# Altium PCB Toradex_Colibri.PcbDoc (part 1 of 2) (continued)
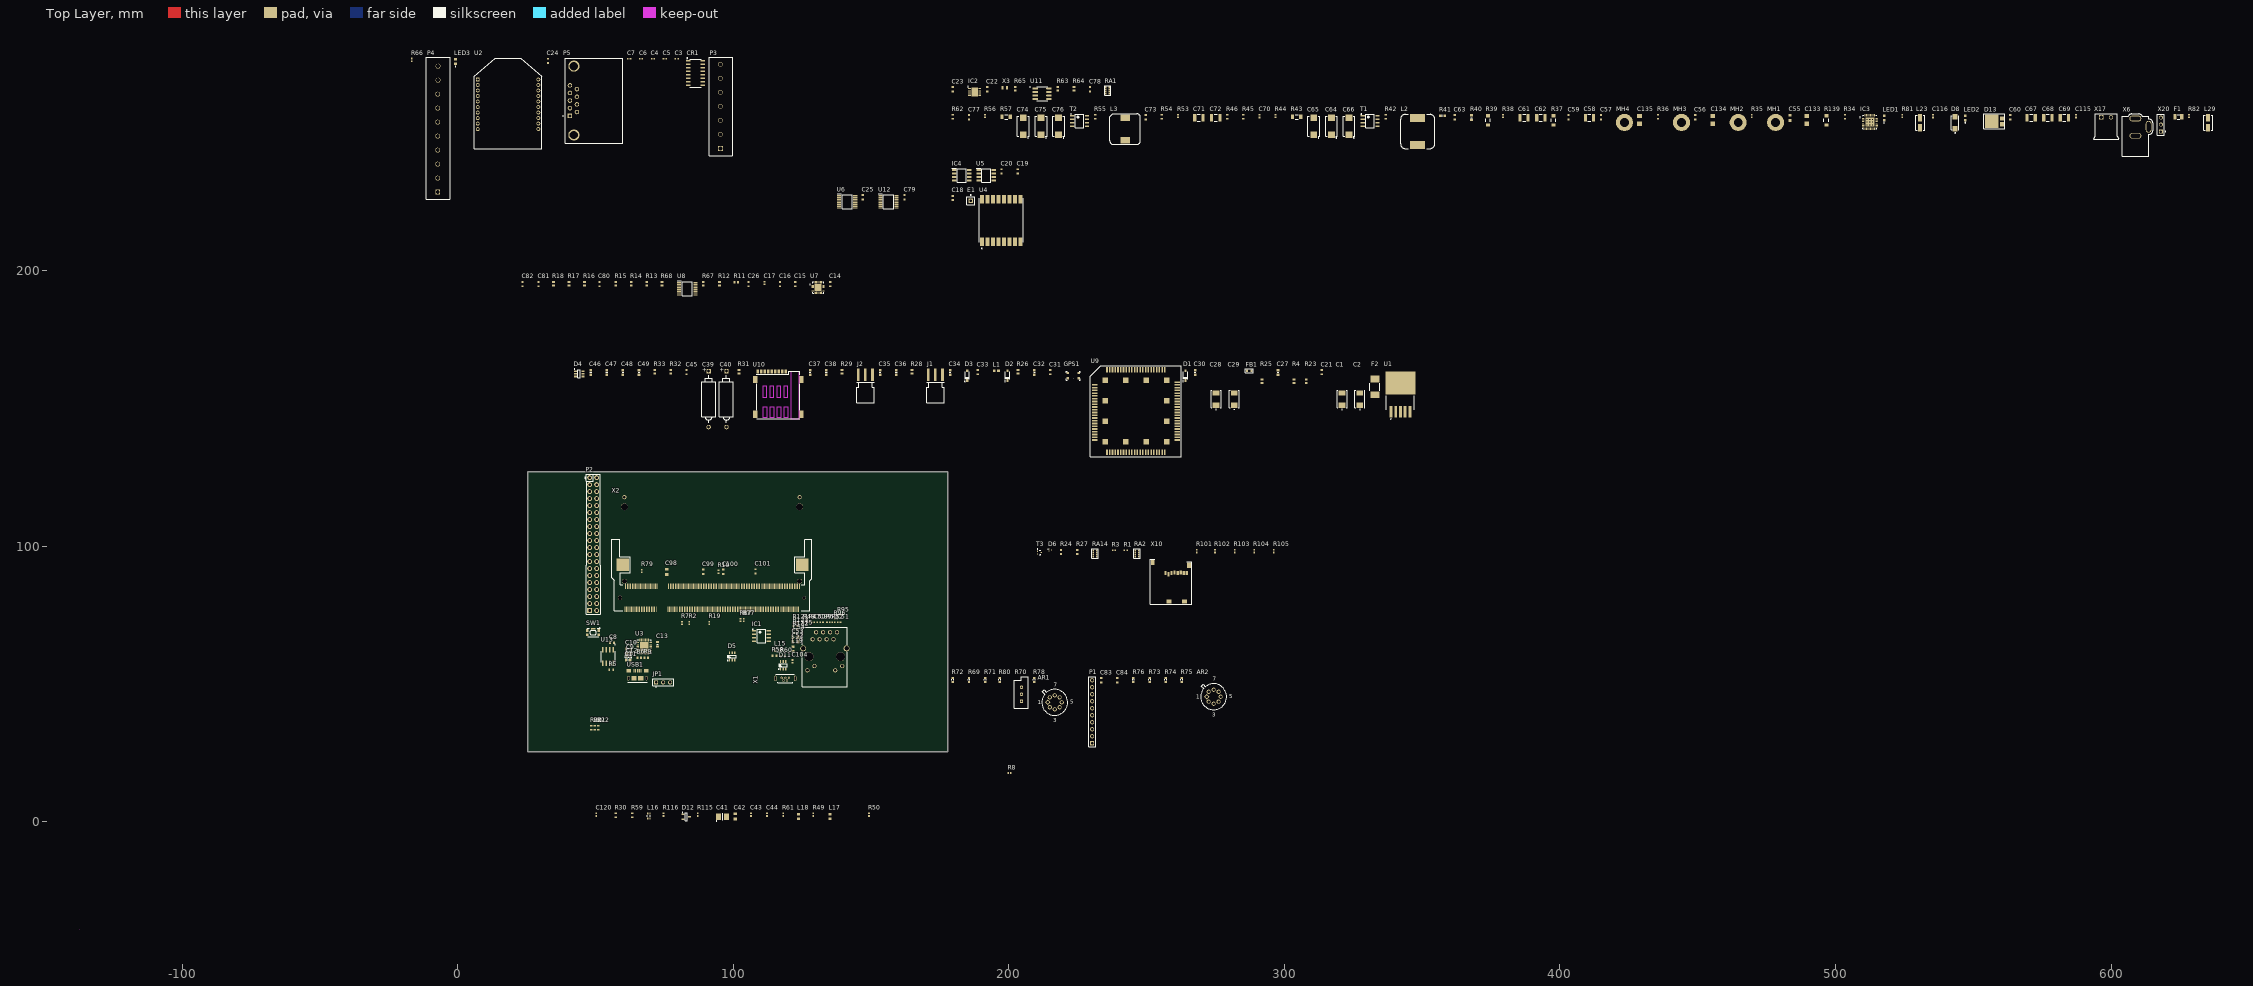
[diagram p0: Top Layer view]
## Components (designator, comment, footprint, x,y, rotation, side; value= is the part's Value field where it differs from the comment) (continued)
R77 "22R" RESC1005X40N 103.759,73.152 r270 top
R78 "Res3" J1-0603 209.169,51.435 r90 top value=10K
R79 "22R" RESC1005X40N 66.802,90.932 r90 top
R80 "Res3" J1-0603 196.723,51.435 r90 top value=5.6K
R81 "560R" RESC1005X40N 524.256,256.032 r90 top
R82 "1K" RESC1005X40N 628.269,256.032 r90 top
R87 "22R" RESC1005X40N 102.616,73.152 r270 top
R95 "150R" RESC1005X40N 138.43,74.93 r0 top
R96 "150R" RESC1005X40N 137.259,73.66 r0 top
R101 "33K" RESC1005X40N 268.224,98.143 r90 top value=33KR
R102 "68K" RESC1005X40N 274.828,98.143 r90 top value=68KR
R103 "68K" RESC1005X40N 281.94,98.143 r90 top value=68KR
R104 "68K" RESC1005X40N 289.052,98.143 r90 top value=68KR
R105 "68K" RESC1005X40N 296.164,98.143 r90 top value=68KR
R115 "560R" RESC1005X40N 87.122,2.537 r90 top
R116 "1K" RESC1005X40N 74.676,2.537 r90 top
R121 "0R" T_RESC0603X30N 122.555,72.263 r180 top
R122 "0R" T_RESC0603X30N 122.555,69.723 r0 top
R123 "0R" T_RESC0603X30N 122.555,70.993 r0 top
R138 "1M" T_RESC0603X30N 131.318,52.705 r0 bottom value=1MR
R139 "0R" T_RESC3216X760N 496.697,254.508 r90 top
RA1 "22R" T_Resistor_Array_X4 235.204,266.573 r0 top
RA2 "22R" T_Resistor_Array_X4 245.872,98.524 r0 top
RA14 "22R" T_Resistor_Array_X4 230.632,98.524 r0 top
SW1 "KMR211GLFS" T_CnK_KMR211GLFS 49.149,68.58 r0 top
T1 "FDS6982AS" SOIC127P600X173-8N 331.089,254.254 r0 top
T2 "FDS6982AS" SOIC127P600X173-8N 225.679,254.254 r0 top
T3 "T-DiodeInc-DMG1012T" T_SOT50P160X80-3N 211.074,97.635 r0 top
U1 "MIC29302WU" MIC29302WU 342.138,148.772 r0 top
U2 "XBP9B-DMST-002" DIP2200W51P200L3294H279Q20P 18.265,260.579 r0 top
U3 "CP2102-GM" QFN50P500X500X100-29N 67.707,63.543 r0 top
U4 "RFM95W-915S2" XCVR_RFM95W-915S2 197.231,218.186 r90 top
U5 "TLE9251VSJXUMA1" SOIC127P602X173-8N 191.77,234.569 r0 top
U6 "74CBTLV3257PGG" SOP65P640X120-16N 141.334,224.928 r0 top
U7 "MAX11410ATI+" QFN40P400X400X80-29N 130.81,193.802 r0 top
U8 "74CBTLV3257PGG" SOP65P640X120-16N 83.312,193.421 r0 top
U9 "L056" L506 246.143,148.995 r0 top
U10 "SIM7100-8-1-15-00-A_revA" SIM7100-8-1-15-00-A_revA 116.332,155.122 r0 top
U11 "DS1337S+T&R" SOIC127P600X175-8N 212.09,264.16 r0 top
U12 "74CBTLV3257PGG" SOP65P640X120-16N 156.32,224.928 r0 top
U13 "ISL83490IBZ" SOIC127P600X175-8N 54.61,59.879 r270 top
USB1 "10118193-0001LF" 10118193-0001LF 65.221,52.07 r0 top value="Micro USB Type B"
X1 "CON-GCT-USB3105-30-A" T_GCT_USB3105-30-A 118.872,51.977 r0 top
X2 "1473005-1" T_Tyco_1473005-1 60.654,77.144 r90 top
X3 "32.768kHz" ABS06 198.501,266.319 r0 top
X6 "RAPC722X" T_RAPC722X 608.838,241.427 r0 top
X10 "MicroSD Holder" T_Wurth_693071010811 265.811,79.474 r0 top
X15 "JX0011D21BNL" T_Pulse_J00-0065NL 141.353,49.017 r180 top
X17 "284512-2" T_TYCO_284512-2 594.233,247.65 r0 top
X20 "826936-3" T_TYCO_826936-3 618.109,250.444 r90 top

## Footprints (in the part's own frame and the unit in brackets; to place one, negate y for a bottom-side part, rotate by r counter-clockwise, add the part's x,y. Pads: shape width x height; smd on the part's side, far side on the other; paste and mask are expansions set on the pad)
"2312 Tant" [mil]
  rect 74x95 smd: 1(-87.99,0) 2(88.01,0)
  silkscreen extent -153,-72 127,72, body extent -122,-67 122,67, height 112
"1729186 5.08 - 10pos" [mm]
  rect 1.75x1.75 hole 1.4: 1(-17.78,0.127)
  round 1.75 hole 1.4: 2(-12.7,0.127) 3(-7.62,0.127) 4(-2.54,0.127) 5(2.54,0.127) 6(7.62,0.127) 7(12.7,0.127) 8(17.78,0.127) 9(22.86,0) 10(27.94,0)
  silkscreen extent -20.45,-4.19 31.11,4.19, body extent -20.35,-4.06 31.02,4.04, height 10
2301843-1 [mm]
  rect 1.635x1.635 hole 1.09: 1(0,0)
  round 1.635 hole 1.09: 2(2.77,0) 3(5.54,0) 4(8.31,0) 5(11.08,0) 6(1.39,-2.54) 7(4.16,-2.54) 8(6.92,-2.54) 9(9.69,-2.54)
  round 4.066 hole 3.05: S1(-6.96,-1.42) S2(18.04,-1.42)
  silkscreen extent -9.91,-19.18 20.99,2.64, body extent -9.82,-19.05 20.99,1.6, height 14.41
10118193-0001LF [mm] "Connector Receptacle USB - micro B 2.0 5 Position Surface Mount, Right Angle, Horizontal"
  rect 0.4x1.35 smd: 1(-1.3,2.675) 2(-0.65,2.675) 3(0,2.675) 4(0.65,2.675) 5(1.3,2.675)
  oval 0.9x1.6 hole 0.5 slot 1.2 at 90 deg: 6(-3.3,0) 6(3.3,0)
  rect 1.6x1.4 smd: 6(-3.2,2.675) 6(3.2,2.675)
  rect 1.9x1.6 smd: 6(-1.2,0) 6(1.2,0)
  silkscreen extent -3.5,-1.45 3.5,-1.45, body extent -3.93,-2.74 3.93,2.92, height 2.83
1462350001 [mm]
  rect 0.87x0.87 smd paste+0: 1(-1.95,-0.97) 2(-1.95,0.97) 2(1.95,-0.97) 2(1.95,0.97)
  Top Layer pour cut-out: -3.734,2.642 3.734,2.642 3.734,-2.642 -3.734,-2.642
  Bottom Layer pour cut-out: -3.734,2.642 3.734,2.642 3.734,-2.642 -3.734,-2.642
  silkscreen extent -2.58,-1.6 2.58,1.6, body extent -2.54,-1.55 2.53,1.52, height 4
ABS06 [mm] "32.768kHz ±20ppm Crystal 4pF 60 kOhm -40°C ~ 85°C Surface Mount 2-SMD, No Lead"
  rect 0.75x1.4 smd: 1(0.762,0) 2(-0.725,0)
  body extent -1,-0.6 1,0.6, height 0.61
CAPC1005X60N [mm] "Ceramic Capacitor 0402 (1005 metric), max height 0.5mm"
  rect 0.58x0.66 smd: 1(-0.49,0) 2(0.49,0)
  body extent -0.5,-0.25 0.5,0.25, height 0.6
CAPC1608X06L [mm]
  rect 0.75x0.8 smd: 1(-0.675,0) 2(0.675,0)
  silkscreen extent -1.17,-0.5 1.17,0.5, body extent -0.8,-0.43 0.8,0.43, height 0.8
CAPC1608X100N [mm] "Capacitor, non-Polarized, Chip; 1.60mm L X 0.80mm W X 1.00mm H, IPC Medium Density"
  rect 0.8x0.95 smd: 1(-0.8,0) 2(0.8,0)
  silkscreen extent 0,-0.3 0,0.3, body extent -0.85,-0.45 0.85,0.45, height 1
CAPC3225X160N [mm]
  rect 1.15x2.7 smd: 1(-1.5,0) 2(1.5,0)
  silkscreen extent -0.55,-1.25 0.55,1.25, body extent -1.6,-1.26 1.6,1.26, height 1.62
CAPMP3528X210N [mm]
  rect 1.8x2.25 smd: 1(-1.45,0) 2(1.45,0)
  silkscreen extent -2.24,-1.6 0,1.3, body extent -1.85,-1.5 1.85,1.5, height 1.9
CAPMP7343X310N [mm]
  rect 2.35x2.45 smd: 1(-3.1,0) 2(3.1,0)
  silkscreen extent -4.3,-2.15 3.65,2.15, body extent -3.8,-2.3 3.8,2.3, height 2.8
DIP2200W51P200L3294H279Q20P [mm]
  rect 1.4x1.4 hole 0.8: 1(-11,8.75)
  round 1.4 hole 0.8: 2(-11,6.75) 3(-11,4.75) 4(-11,2.75) 5(-11,0.75) 6(-11,-1.25) 7(-11,-3.25) 8(-11,-5.25) 9(-11,-7.25) 10(-11,-9.25) 11(11,-9.25) 12(11,-7.25) 13(11,-5.25) 14(11,-3.25) 15(11,-1.25) 16(11,0.75) 17(11,2.75) 18(11,4.75) 19(11,6.75) 20(11,8.75)
  silkscreen extent -12.19,-16.47 12.19,16.47, body extent -11.61,-16.59 12.12,16.35, height 13.5
EMPCB.SMAFSTJ.B.HT [mm] "SMA Connector Jack, Female Socket 50 Ohm Board Edge, End Launch Solder"
  rect 0.85x4.56 smd: 1(0,0)
  rect 1x4.56 smd: 2(2.62,0) 3(-2.62,0)
  rect 1x4.56 smd far side: 4(2.62,0) 5(-2.62,0)
  silkscreen extent -3.17,-10.17 3.18,-2.64, body extent -3.18,-12.03 3.17,1.27, height 3.56
H-08A [mm] "Can; 8 Leads; Pin Circle Dia. 5.08 mm; Lead Dia. 0.53 mm (max)"
  rect 1.5x1.5 hole 0.9 rot 45: 1(-2.54,0)
  round 1.5 hole 0.9: 2(-1.796,-1.796) 3(0,-2.54) 4(1.796,-1.796) 5(2.54,0) 6(1.796,1.796) 7(0,2.54) 8(-1.796,1.796)
  silkscreen extent -4.7,-4.7 4.7,4.7
HDR1X10 [mm] "Connector; Header; 10 Position"
  rect 1.5x1.5 hole 0.9: 1(0,0)
  round 1.5 hole 0.9: 2(2.54,0) 3(5.08,0) 4(7.62,0) 5(10.16,0) 6(12.7,0) 7(15.24,0) 8(17.78,0) 9(20.32,0) 10(22.86,0)
  silkscreen extent -1.27,-1.27 24.13,1.27
IND-0603 [mil] "IND-0603"
  rect 30x32 smd: 1(30.51,0) 2(-30.51,0)
  silkscreen extent -57,-27 57,27, body extent -31,-16 32,16, height 30
INDC1608X95N [mm] "Ferrite Bead 0603 (1608 metric), max height 0.95mm"
  rect 0.95x1 smd: 1(-0.8,0) 2(0.8,0)
  body extent -0.8,-0.4 0.8,0.4, height 0.8
INDC1608X100N [mm] "Chip Inductor, 2-Leads, EIA 0603, Metric 1608, Body 1.6x0.8mm, IPC Medium Density"
  rect 0.95x1 smd: 1(-0.8,0) 2(0.8,0)
  body extent -0.87,-0.47 0.88,0.48, height 1
J1-0603 [mm] "Chip Resistor, Body 1.6x0.8mm, IPC High Density"
  rect 0.7x0.9 smd: 1(-0.75,0) 2(0.75,0)
  silkscreen extent -0.2,-0.35 0.2,0.35, body extent -0.85,-0.48 0.85,0.48, height 0.9
L506 [mm]
  rect 2x0.6 smd: 1(-15,9.5) 2(-15,8.5) 3(-15,7.5) 4(-15,6.5) 5(-15,5.5) 6(-15,4.5) 7(-15,3.5) 8(-15,2.5) 9(-15,1.5) 10(-15,0.5) 11(-15,-0.5) 12(-15,-1.5) 13(-15,-2.5) 14(-15,-3.5) 15(-15,-4.5) 16(-15,-5.5) 17(-15,-6.5) 18(-15,-7.5) 19(-15,-8.5) 20(-15,-9.5) 41(15,-9.5) 42(15,-8.5) 43(15,-7.5) 44(15,-6.5) 45(15,-5.5) 46(15,-4.5) 47(15,-3.5) 48(15,-2.5) 49(15,-1.5) 50(15,-0.5) 51(15,0.5) 52(15,1.5) 53(15,2.5) 54(15,3.5) 55(15,4.5) 56(15,5.5) 57(15,6.5) 58(15,7.5) 59(15,8.5) 60(15,9.5) 81(-15,-10.5) 82(15,-10.5) 85(15,10.5)
  rect 0.6x2 smd: 21(-9.5,-15) 22(-8.5,-15) 23(-7.5,-15) 24(-6.5,-15) 25(-5.5,-15) 26(-4.5,-15) 27(-3.5,-15) 28(-2.5,-15) 29(-1.5,-15) 30(-0.5,-15) 31(0.5,-15) 32(1.5,-15) 33(2.5,-15) 34(3.5,-15) 35(4.5,-15) 36(5.5,-15) 37(6.5,-15) 38(7.5,-15) 39(8.5,-15) 40(9.5,-15) 61(9.5,15) 62(8.5,15) 63(7.5,15) 64(6.5,15) 65(5.5,15) 66(4.5,15) 67(3.5,15) 68(2.5,15) 69(1.5,15) 70(0.5,15) 71(-0.5,15) 72(-1.5,15) 73(-2.5,15) 74(-3.5,15) 75(-4.5,15) 76(-5.5,15) 77(-6.5,15) 78(-7.5,15) 79(-8.5,15) 80(-9.5,15) 83(10.5,-15) 84(-10.5,-15) 86(-10.5,15) 87(10.5,15)
  rect 2x2 smd: 88(-11.2,11.2) 89(-11.2,3.7) 90(-11.2,-3.7) 91(-11.2,-11.2) 92(-3.7,-11.2) 93(3.7,-11.2) 94(11.2,-11.2) 95(11.2,-3.7) 96(11.2,3.7) 97(11.2,11.2) 98(3.7,11.2) 99(-3.7,11.2)
  silkscreen extent -16.64,-16.51 16.51,16.51, body extent -15.11,-15.24 14.99,15.11, height 2.8
LEDC1608X80N [mm]
  rect 0.9x0.95 smd: 1(-0.8,0) 2(0.8,0)
  silkscreen extent -1.87,-0.13 -1.63,0.12, body extent -0.85,-0.45 0.85,0.45, height 0.9
MB612-50807 [mm] "2 Position Wire to Board Terminal Block Horizontal with Board 0.197\" (5.00mm) Through Hole"
  rect 1.75x1.75 hole 1.4: 1(-15.24,0)
  round 1.75 hole 1.4: 2(-10.16,0) 3(-5.08,0) 4(0,0) 5(5.08,0) 6(10.16,0) 7(15.24,0)
  silkscreen extent -17.91,-4.32 17.78,4.06, body extent -17.91,-3.82 17.65,3.68, height 10
MIC29302WU [mm]
  rect 1.041x4.039 smd: 1(-3.404,0) 2(-1.702,0) 3(0,0) 4(1.702,0) 5(3.404,0)
  rect 10.744x8.306 smd: 6(0,10.452)
  silkscreen extent -5.08,-2.67 5.08,5.83, body extent -5.08,0.1 5.08,9.73, height 5.18
PIN1 [mm] "Generic Antenna; 1 Lead"
  rect 1.5x1.5 hole 0.9: 1(0,0)
  silkscreen extent -1.4,-1.4 1.4,2.17
POLAR0.8 [mm] "Polarized Capacitor; 2 Leads"
  rect 1.6x1.6 hole 1: 1(10.16,0)
  round 1.6 hole 1: 2(-10.16,0)
  silkscreen extent -8.64,-2.54 8.64,2.54
QFN40P400X400X80-29N [mm]
  rrect25% 0.86x0.22 smd: 1(-1.935,1.2) 2(-1.935,0.8) 3(-1.935,0.4) 4(-1.935,0) 5(-1.935,-0.4) 6(-1.935,-0.8) 7(-1.935,-1.2) 15(1.935,-1.2) 16(1.935,-0.8) 17(1.935,-0.4) 18(1.935,0) 19(1.935,0.4) 20(1.935,0.8) 21(1.935,1.2)
  rrect25% 0.22x0.86 smd: 8(-1.2,-1.935) 9(-0.8,-1.935) 10(-0.4,-1.935) 11(0,-1.935) 12(0.4,-1.935) 13(0.8,-1.935) 14(1.2,-1.935) 22(1.2,1.935) 23(0.8,1.935) 24(0.4,1.935) 25(0,1.935) 26(-0.4,1.935) 27(-0.8,1.935) 28(-1.2,1.935)
  rect 2.6x2.6 smd paste-2: 29(0,0)
  silkscreen extent -3.09,-2.05 2.05,2.05, body extent -2.03,-2.03 1.97,1.97, height 0.75
QFN50P500X500X100-29N [mm]
  rect 0.97x0.26 smd: 1(-2.37,1.5) 2(-2.37,1) 3(-2.37,0.5) 4(-2.37,0) 5(-2.37,-0.5) 6(-2.37,-1) 7(-2.37,-1.5) 15(2.37,-1.5) 16(2.37,-1) 17(2.37,-0.5) 18(2.37,0) 19(2.37,0.5) 20(2.37,1) 21(2.37,1.5)
  rect 0.26x0.97 smd: 8(-1.5,-2.37) 9(-1,-2.37) 10(-0.5,-2.37) 11(0,-2.37) 12(0.5,-2.37) 13(1,-2.37) 14(1.5,-2.37) 22(1.5,2.37) 23(1,2.37) 24(0.5,2.37) 25(0,2.37) 26(-0.5,2.37) 27(-1,2.37) 28(-1.5,2.37)
  rect 3.15x3.15 smd: 29(0,0)
  silkscreen extent -3.4,-2.5 2.5,2.5, body extent -2.5,-2.48 2.51,2.52, height 1
QFN50P500X500X100-33N [mm]
  oval 0.9x0.3 smd: 1(-2.45,1.75) 2(-2.45,1.25) 3(-2.45,0.75) 4(-2.45,0.25) 5(-2.45,-0.25) 6(-2.45,-0.75) 7(-2.45,-1.25) 8(-2.45,-1.75) 17(2.45,-1.75) 18(2.45,-1.25) 19(2.45,-0.75) 20(2.45,-0.25) 21(2.45,0.25) 22(2.45,0.75) 23(2.45,1.25) 24(2.45,1.75)
  oval 0.3x0.9 smd: 9(-1.75,-2.45) 10(-1.25,-2.45) 11(-0.75,-2.45) 12(-0.25,-2.45) 13(0.25,-2.45) 14(0.75,-2.45) 15(1.25,-2.45) 16(1.75,-2.45) 25(1.75,2.45) 26(1.25,2.45) 27(0.75,2.45) 28(0.25,2.45) 29(-0.25,2.45) 30(-0.75,2.45) 31(-1.25,2.45) 32(-1.75,2.45)
  rect 3.25x3.25 smd paste-0.595: 33(0,0)
  silkscreen extent -3.62,-2.5 2.5,2.5, body extent -2.58,-2.58 2.58,2.58, height 1
RASPI_GPIO_B+_PIN [mil]
  rect 70x70 hole 39.37: 1(-50,-950)
  round 70 hole 39.37: 2(50,-950) 3(-50,-850) 4(50,-850) 5(-50,-750) 6(50,-750) 7(-50,-650) 8(50,-650) 9(-50,-550) 10(50,-550) 11(-50,-450) 12(50,-450) 13(-50,-350) 14(50,-350) 15(-50,-250) 16(50,-250) 17(-50,-150) 18(50,-150) 19(-50,-50) 20(50,-50) 21(-50,50) 22(50,50) 23(-50,150) 24(50,150) 25(-50,250) 26(50,250) 27(-50,350) 28(50,350) 29(-50,450) 30(50,450) 31(-50,550) 32(50,550) 33(-50,650) 34(50,650) 35(-50,750) 36(50,750) 37(-50,850) 38(50,850) 39(-50,950) 40(50,950)
  silkscreen extent -112,-1000 100,1000, body extent -100,-1000 100,1000, height 230
RESC1005X40N [mm]
  rect 0.57x0.62 smd: 1(-0.48,0) 2(0.48,0)
  body extent -0.5,-0.25 0.5,0.25, height 0.35
RESC1608X50N [mm] "Chip Resistor, EIA 0603, Metric 1608, Body 1.6x0.8mm, IPC Medium Density"
  rect 0.72x0.99 smd: 1(-0.69,0) 2(0.69,0)
  body extent -0.87,-0.47 0.88,0.48, height 0.5
RESC3316X76N [mm]
  rect 1.2x1.75 smd: 1(-1.5,0) 2(1.5,0)
  silkscreen extent -0.55,-0.8 0.55,0.8, body extent -1.73,-0.86 1.73,0.86, height 0.6
SIM7100-8-1-15-00-A_revA [mm] "Micro SIM Card Connector - Push-Push Type, 8 Pin, SMT, 1.50mm Profile"
  rect 1.56x2.61 smd: 1(-8.34,5.34) 2(-8.34,-7.29) 3(8.34,-7.29) 4(8.34,5.34)
  rect 0.9x1.35 smd: C1(2.755,8.215) C2(0.215,8.215) C3(-2.325,8.215) C4(-4.865,8.215) C5(1.485,8.215) C6(-1.055,8.215) C7(-3.595,8.215) C8(-6.135,8.215) CD(-7.405,8.215)
  Keep-Out Layer region: 4.615,-8.89 7.705,-8.89 7.705,8.11 4.615,8.11
  Keep-Out Layer region: -5.545,-1.03 -4.145,-1.03 -4.145,2.91 -5.545,2.91
  Keep-Out Layer region: -3.005,-1.03 -1.605,-1.03 -1.605,2.91 -3.005,2.91
  Keep-Out Layer region: -0.465,-1.03 0.935,-1.03 0.935,2.91 -0.465,2.91
  Keep-Out Layer region: 2.075,-1.03 3.475,-1.03 3.475,2.91 2.075,2.91
  Keep-Out Layer region: -5.695,-8.41 -3.995,-8.41 -3.995,-4.83 -5.695,-4.83
  Keep-Out Layer region: -3.155,-8.41 -1.455,-8.41 -1.455,-4.83 -3.155,-4.83
  Keep-Out Layer region: -0.615,-8.41 1.085,-8.41 1.085,-4.83 -0.615,-4.83
  Keep-Out Layer region: 1.925,-8.41 3.625,-8.41 3.625,-4.83 1.925,-4.83
  silkscreen extent -7.88,-8.89 7.88,8.28, body extent -8.37,-8.89 8.38,8.44, height 1.47
SO-16_STM [mil]
  rect 63x20 smd: 1(-104.5,175) 2(-104.5,125) 3(-104.5,75) 4(-104.5,25) 5(-104.5,-25) 6(-104.5,-75) 7(-104.5,-125) 8(-104.5,-175) 9(104.5,-175) 10(104.5,-125) 11(104.5,-75) 12(104.5,-25) 13(104.5,25) 14(104.5,75) 15(104.5,125) 16(104.5,175)
  silkscreen extent -127,-202 84,222, body extent -122,-197 122,197, height 69
SOD3715X145N [mm] "SOD Diode (SOD-123); 2.70mm W X 1.55mm L X 1.45mm H body, IPC Medium Density"
  rect 1x0.8 smd: 1(1.8,0) 2(-1.8,0)
  silkscreen extent -2.17,-0.8 1.35,1.02, body extent -1.95,-0.85 1.95,0.85, height 1.45
SOIC127P600X173-8N [mm]
  rect 1.6x0.6 smd: 1(-2.7,1.905) 2(-2.7,0.635) 3(-2.7,-0.635) 4(-2.7,-1.905) 5(2.7,-1.905) 6(2.7,-0.635) 7(2.7,0.635) 8(2.7,1.905)
  silkscreen extent -3.29,-2.45 1.58,2.61, body extent -3.11,-2.5 3.11,2.5, height 1.75
SOIC127P600X175-8N [mm]
  rrect25% 1.97x0.59 smd: 1(-2.475,1.905) 2(-2.475,0.635) 3(-2.475,-0.635) 4(-2.475,-1.905) 5(2.475,-1.905) 6(2.475,-0.635) 7(2.475,0.635) 8(2.475,1.905)
  silkscreen extent -4.54,-2.52 2,2.59, body extent -2.45,-3 2.45,3, height 1.75
SOIC127P602X173-8N [mm]
  rect 1.55x0.65 smd: 1(-2.725,1.905) 2(-2.725,0.635) 3(-2.725,-0.635) 4(-2.725,-1.905) 5(2.725,-1.905) 6(2.725,-0.635) 7(2.725,0.635) 8(2.725,1.905)
  silkscreen extent -3.5,-2.44 1.6,2.58, body extent -3.01,-2.44 3.01,2.44, height 1.73
SON80P400X400X100-9N-D [mm]
  rect 1x0.4 smd: 1(-1.85,1.2) 2(-1.85,0.4) 3(-1.85,-0.4) 4(-1.85,-1.2) 5(1.85,-1.2) 6(1.85,-0.4) 7(1.85,0.4) 8(1.85,1.2)
  rect 2.35x3.25 smd: 9(0,0)
  silkscreen extent -2.47,1.78 -2.22,2.02, body extent -2.05,-2 2.05,2, height 1
SOP65P640X120-16N [mm]
  rect 1.475x0.45 smd: 1(-2.938,2.275) 2(-2.938,1.625) 3(-2.938,0.975) 4(-2.938,0.325) 5(-2.938,-0.325) 6(-2.938,-0.975) 7(-2.938,-1.625) 8(-2.938,-2.275) 9(2.938,-2.275) 10(2.938,-1.625) 11(2.938,-0.975) 12(2.938,-0.325) 13(2.938,0.325) 14(2.938,0.975) 15(2.938,1.625) 16(2.938,2.275)
  silkscreen extent -3.67,-2.5 1.85,2.85, body extent -3.2,-2.5 3.2,2.5, height 1.2
SOT95P230X110-3N [mm]
  rect 1x0.6 smd: 1(-1.15,0.95) 2(-1.15,-0.95) 3(1.15,0)
  silkscreen extent -1.4,-1.45 0.33,1.67, body extent -1.25,-1.5 1.25,1.5, height 1.09
SOT95P280X100-6N [mm] "SOT23, 0.95mm pitch; 6 pin, 1.625mm W X 2.90mm L X 1.00mm H body, IPC Medium Density"
  rect 1.1x0.55 smd: 1(-1.35,0.95) 2(-1.35,0) 3(-1.35,-0.95) 4(1.35,-0.95) 5(1.35,0) 6(1.35,0.95)
  silkscreen extent -1.77,-1.45 0.48,1.87, body extent -1.4,-1.5 1.4,1.5, height 1
SSQC_BEL [mil]
  rect 97x132 smd: 1(-113,0) 2(113,0)
  Top Layer keep-out region: -7755,18510
  Mechanical 16 keep-out region: -7755,18510
  Mechanical 16 keep-out region: -7755,18510
  silkscreen extent -52,-71 52,71, body extent -142,-66 152,66, height 123
T_CAPC0603X33N [mm] "Ceramic Capacitor 0603 (1608 metric), max height 0.9mm"
  rect 0.7x0.85 smd: 1(-0.775,0) 2(0.775,0)
  body extent -0.8,-0.4 0.8,0.4, height 0.9
T_CAPC0805X125N [mm] "Ceramic Capacitor 0805 (2012 metric), max height 1.25mm"
  rect 1x1.2 smd: 1(-0.95,0) 2(0.95,0)
  body extent -1,-0.62 1,0.63, height 1
T_CAPC1206X180N [mm] "Ceramic Capacitor 1206 (3216 metric), max height 1.8mm"
  rect 1.524x1.7 smd: 1(-1.397,0) 2(1.397,0)
  body extent -1.6,-0.8 1.6,0.8, height 1
T_CnK_KMR211GLFS [mm] "Microminiature Tact Switch for SMT"
  rect 0.9x1 smd: 1(2.05,0.8) 2(2.05,-0.8) 3(-2.05,0.8) 4(-2.05,-0.8)
  rect 1.7x0.55 smd: 5(0,1.43)
  silkscreen extent -2.11,-1.51 2.52,1.72, body extent -2.3,-1.51 2.3,1.49, height 2.12
T_DIOM_TO277A [mm] "Molded Diode, 3-Leads, Body 4.75x6.65mm, IPC Medium Density"
  rect 1.35x1.5 smd: A1(3.805,1.065) A2(3.805,-1.065)
  rect 4.9x4.85 smd paste-0.5: K(0,0)
  silkscreen extent -2.79,-2.72 4.83,2.72, body extent -2.28,-2.38 4.37,2.38, height 1.2
T_GCT_USB3105-30-A [mm] "Micro USB Connector Vertical"
  round 0.8 hole 0.4: 1(-1.3,0.22) 2(-0.65,-0.78) 3(0,0.22) 4(0.65,-0.78) 5(1.3,0.22)
  oval 0.95x1.95 hole 0.4 slot 1.4 at 90 deg: S1(-3.575,0) S2(3.575,0)
  silkscreen extent -3.25,-1.55 3.25,1.55, body extent -3.98,-1.45 3.98,1.48, height 5.62
T_INDM102102X45N [mm]
  rect 3.4x2.4 smd: 1(0,-4.1) 2(0,4.1)
  silkscreen extent -5.52,-5.52 5.52,5.52, body extent -5.25,-5.25 5.25,5.25, height 4.5
T_INDM120120X80N [mm]
  rect 5.4x2.9 smd: 1(0,-4.95) 2(0,4.95)
  silkscreen extent -6.2,-6.2 6.2,6.2, body extent -6,-6 6,6, height 6
T_Laird_35F0121-0SR-10 [mm] "Power supply FB 10A"
  rect 2.77x1.47 smd: 1(-1.79,0) 2(1.79,0)
  silkscreen extent -2.73,-1.6 2.73,1.6, body extent -2.54,-1.53 2.54,1.53, height 3.05
T_Littelfuse_0458 [mm] "Fast Fuse"
  rect 1.185x2.05 smd: 1(-1.232,0) 2(1.232,0)
  silkscreen extent -0.4,-0.82 0.4,0.82, body extent -1.51,-0.8 1.51,0.8, height 1.1
T_LITTLEFUSE_SMAJ30CA [mm] "Bidirectional ESD protection"
  rect 2.1x1.8 smd: 1(-2.2,0) 2(2.2,0)
  silkscreen extent -3.77,-1.35 2.55,1.35, body extent -2.25,-1.4 2.25,1.4, height 2.29
T_MountingHoles [mm] "PCB Mounting Holes"
  round 6.2 hole 3.2: 1(0,0)
T_Murata_DLW21SN900SQ2 [mm] "Common Mode Choke"
  rrect50% 0.75x0.42 smd: 1(-0.9,0.4) 2(0.9,0.4) 3(0.9,-0.4) 4(-0.9,-0.4)
  silkscreen extent -0.34,-0.55 0.34,0.55, body extent -1,-0.6 1,0.6, height 1.2
T_Pulse_J00-0065NL [mm] "RJ45 Connector"
  round 1.5 hole 0.95: 1(12.575,-17.15) 2(11.305,-19.69) 3(10.035,-17.15) 4(8.765,-19.69) 5(7.495,-17.15) 6(6.225,-19.69) 7(4.955,-17.15) 8(3.685,-19.69)
  round 1.5 hole 1.02: 9(14.455,-5.9) 10(11.915,-7.42) 11(4.345,-5.9) 12(1.805,-7.42)
  round 2.1 hole 1.63: S1(0.255,-13.85) S2(16.005,-13.85)
  round 3.2 hole 3.2 unplated: ""(2.415,-10.8) ""(13.845,-10.8)
  silkscreen extent 0,-21.59 16.26,0, body extent 0.19,-21.75 16.07,0.09, height 13.32
T_RAPC722X [mm] "Connector, 2.1mm (Dia), 5.5mm(Dia), Round Power Socket"
  oval 4.3x2.1 hole 1.4 slot 3.5 at 0 deg: 1(0,13.74) 2(0,7.49)
  oval 2.1x4.3 hole 1.4 slot 3.5 at 90 deg: 3(4.8,10.74)
  silkscreen extent -4.7,0 6.4,15.39, body extent -4.5,0 4.7,14.4, height 10.7
T_RESC0603X30N [mm] "Film Resistor 0603 (1608 metric), max height 0.45mm"
  rect 0.65x0.85 smd: 1(-0.725,0) 2(0.725,0)
  body extent -0.85,-0.4 0.85,0.4, height 0.56
T_RESC3216X760N [mm]
  rect 1.2x1.4 smd: 1(-1.7,0) 2(1.7,0)
  silkscreen extent -0.55,-0.88 0.55,0.88, body extent -1.6,-0.8 1.6,0.8, height 0.6
T_Resistor_Array_X4 [mm] "Resistor Array 0.8mm"
  rect 0.5x0.6 smd: 1(0,0) 2(0,-0.8) 3(0,-1.6) 4(0,-2.4) 5(1.3,0) 6(1.3,-0.8) 7(1.3,-1.6) 8(1.3,-2.4)
  silkscreen extent -0.47,-2.92 1.77,0.52, body extent -0.15,-2.8 1.45,0.4, height 0.5
T_SOT50P160X80-3N [mm] "SOT23, 3-Leads, Body 1.7x1.8mm (max), Pitch 0.50mm, IPC Medium Density"
  rect 0.51x0.4 smd: 1(-0.65,0.5) 2(-0.65,-0.5) 3(0.65,0)
  silkscreen extent -0.77,-0.85 0.42,1.37, body extent -0.43,-0.85 0.42,0.85, height 0.8
T_SOT95P285X90-6N [mm]
  rect 1.05x0.5 smd: 1(-1.35,0.95) 2(-1.35,0) 3(-1.35,-0.95) 4(1.35,-0.95) 5(1.35,0) 6(1.35,0.95)
  silkscreen extent -1.57,-1.5 0.5,1.7, body extent -1.4,-1.45 1.4,1.45, height 1.45
T_TI_TPD2EUSB30DRTR [mm] "2 CHANNEL PROTECTION SOLUTION FOR SUPER-SPEED"
  rect 0.3x0.3 smd: 1(-0.425,0.35) 2(-0.425,-0.35) 3(0.425,0)
  silkscreen extent -0.88,0.3 -0.78,0.4, body extent -0.43,-0.5 0.43,0.5, height 0.5
T_TYCO_284512-2 [mm] "Power Connector 3.5mm"
  rect 1.6x1.6 hole 1.2: 1(2.25,8)
  oval 1.6x1.56 hole 1.2: 2(5.75,8)
  silkscreen extent -0.5,0 8.5,9.2, body extent -0.5,0 8.5,9.2, height 7.27
T_TYCO_826936-3 [mm] "Connector; Header; 3 Position"
  rect 1.5x1.5 hole 0.9: 1(0,0)
  round 1.5 hole 0.9: 2(2.54,0) 3(5.08,0)
  silkscreen extent -1.27,-1.73 6.35,1.27, body extent -1.27,-1.27 6.35,1.27, height 8.4
T_Tyco_1473005-1 [mm] "SODIMM Connector"
  rect 2x0.35 smd: 1(0,0) 2(8.2,-0.3) 3(0,-0.6) 4(8.2,-0.9) 5(0,-1.2) 6(8.2,-1.5) 7(0,-1.8) 8(8.2,-2.1) 9(0,-2.4) 10(8.2,-2.7) 11(0,-3) 12(8.2,-3.3) 13(0,-3.6) 14(8.2,-3.9) 15(0,-4.2) 16(8.2,-4.5) 17(0,-4.8) 18(8.2,-5.1) 19(0,-5.4) 20(8.2,-5.7) 21(0,-6) 22(8.2,-6.3) 23(0,-6.6) 24(8.2,-6.9) 25(0,-7.2) 26(8.2,-7.5) 27(0,-7.8) 28(8.2,-8.1) 29(0,-8.4) 30(8.2,-8.7) 31(0,-9) 32(8.2,-9.3) 33(0,-9.6) 34(8.2,-9.9) 35(0,-10.2) 36(8.2,-10.5) 37(0,-10.8) 38(8.2,-11.1) 39(0,-11.4) 40(8.2,-11.7) 41(0,-15.6) 42(8.2,-15.9) 43(0,-16.2) 44(8.2,-16.5) 45(0,-16.8) 46(8.2,-17.1) 47(0,-17.4) 48(8.2,-17.7) 49(0,-18) 50(8.2,-18.3) 51(0,-18.6) 52(8.2,-18.9) 53(0,-19.2) 54(8.2,-19.5) 55(0,-19.8) 56(8.2,-20.1) 57(0,-20.4) 58(8.2,-20.7) 59(0,-21) 60(8.2,-21.3) 61(0,-21.6) 62(8.2,-21.9) 63(0,-22.2) 64(8.2,-22.5) 65(0,-22.8) 66(8.2,-23.1) 67(0,-23.4) 68(8.2,-23.7) 69(0,-24) 70(8.2,-24.3) 71(0,-24.6) 72(8.2,-24.9) 73(0,-25.2) 74(8.2,-25.5) 75(0,-25.8) 76(8.2,-26.1) 77(0,-26.4) 78(8.2,-26.7) 79(0,-27) 80(8.2,-27.3) 81(0,-27.6) 82(8.2,-27.9) 83(0,-28.2) 84(8.2,-28.5) 85(0,-28.8) 86(8.2,-29.1) 87(0,-29.4) 88(8.2,-29.7) 89(0,-30) 90(8.2,-30.3) 91(0,-30.6) 92(8.2,-30.9) 93(0,-31.2) 94(8.2,-31.5) 95(0,-31.8) 96(8.2,-32.1) 97(0,-32.4) 98(8.2,-32.7) 99(0,-33) 100(8.2,-33.3) 101(0,-33.6) 102(8.2,-33.9) 103(0,-34.2) 104(8.2,-34.5) 105(0,-34.8) 106(8.2,-35.1) 107(0,-35.4) 108(8.2,-35.7) 109(0,-36) 110(8.2,-36.3) 111(0,-36.6) 112(8.2,-36.9) 113(0,-37.2) 114(8.2,-37.5) 115(0,-37.8) 116(8.2,-38.1) 117(0,-38.4) 118(8.2,-38.7) 119(0,-39) 120(8.2,-39.3) 121(0,-39.6) 122(8.2,-39.9) 123(0,-40.2) 124(8.2,-40.5) 125(0,-40.8) 126(8.2,-41.1) 127(0,-41.4) 128(8.2,-41.7) 129(0,-42) 130(8.2,-42.3) 131(0,-42.6) 132(8.2,-42.9) 133(0,-43.2) 134(8.2,-43.5) 135(0,-43.8) 136(8.2,-44.1) 137(0,-44.4) 138(8.2,-44.7) 139(0,-45) 140(8.2,-45.3) 141(0,-45.6) 142(8.2,-45.9) 143(0,-46.2) 144(8.2,-46.5) 145(0,-46.8) 146(8.2,-47.1) 147(0,-47.4) 148(8.2,-47.7) 149(0,-48) 150(8.2,-48.3) 151(0,-48.6) 152(8.2,-48.9) 153(0,-49.2) 154(8.2,-49.5) 155(0,-49.8) 156(8.2,-50.1) 157(0,-50.4) 158(8.2,-50.7) 159(0,-51) 160(8.2,-51.3) 161(0,-51.6) 162(8.2,-51.9) 163(0,-52.2) 164(8.2,-52.5) 165(0,-52.8) 166(8.2,-53.1) 167(0,-53.4) 168(8.2,-53.7) 169(0,-54) 170(8.2,-54.3) 171(0,-54.6) 172(8.2,-54.9) 173(0,-55.2) 174(8.2,-55.5) 175(0,-55.8) 176(8.2,-56.1) 177(0,-56.4) 178(8.2,-56.7) 179(0,-57) 180(8.2,-57.3) 181(0,-57.6) 182(8.2,-57.9) 183(0,-58.2) 184(8.2,-58.5) 185(0,-58.8) 186(8.2,-59.1) 187(0,-59.4) 188(8.2,-59.7) 189(0,-60) 190(8.2,-60.3) 191(0,-60.6) 192(8.2,-60.9) 193(0,-61.2) 194(8.2,-61.5) 195(0,-61.8) 196(8.2,-62.1) 197(0,-62.4) 198(8.2,-62.7) 199(0,-63) 200(8.2,-63.3)
  rect 4.6x4.5 smd: BE1(16.1,0.75) BE2(16.1,-64.35)
  round 1.6 hole 1.6 unplated: ""(4.1,1.75)
  round 1.1 hole 1.1 unplated: ""(4.1,-65.05)
  round 1.8 hole 1.8 unplated: ""(10.1,0.15) ""(10.1,-63.45)
  round 2.5 hole 2.5 unplated: ""(37.1,0.15) ""(37.1,-63.45)
  round 1.5 hole 0.9: ""(40.6,0.15) ""(40.6,-63.45)
  silkscreen extent -0.64,-67.9 25.27,4.75, body extent -0.9,-67.4 25.15,4.1, height 5.22
T_Wurth_693071010811 [mm] "MicroSD Holder, Push-Pust Type,"
  rect 0.8x1.5 smd: 1(-8.94,10.7) 2(-7.84,10.3) 3(-6.74,10.7) 4(-5.64,10.9) 5(-4.54,10.7) 6(-3.44,10.9) 7(-2.34,10.7) 8(-1.24,10.7)
  rect 1.8x1.4 smd: CD1(-2.05,0.4) CD2(-7.75,0.4)
  rect 1.4x1.9 smd: S1(-0.45,13.55) S2(-13.6,14.55)
  silkscreen extent -14.55,-0.56 0.51,15.75, body extent -14,0 0,19.65, height 1.83
VR5 [mm] "Thru-Hole; 3 Leads"
  rect 1.2x1.2 hole 0.7: 1(-2.54,0)
  round 1.2 hole 0.7: 2(0,0) 3(2.54,0)
  silkscreen extent -5.08,-2.54 6.35,2.54
XCVR_RFM95W-915S2 [mm]
  rect 3x1.4 smd: 1(-7.7,7) 2(-7.7,5) 3(-7.7,3) 4(-7.7,1) 5(-7.7,-1) 6(-7.7,-3) 7(-7.7,-5) 8(-7.7,-7) 9(7.7,-7) 10(7.7,-5) 11(7.7,-3) 12(7.7,-1) 13(7.7,1) 14(7.7,3) 15(7.7,5) 16(7.7,7)
  silkscreen extent -10.25,-8 8,8, body extent -7.87,-8.13 8.13,7.87, height 1.8